# Altium PCB RTM_SFP.PcbDoc (part 3 of 17)
Units mil, origin at the board's own origin, x right, y up, seen from the top; angles counter-clockwise.
Board outline 7185 x 5846.5 mil, 4 copper layers (Top Layer, MidPlane_1, MidPlane_2, Bottom Layer), stack 63.553 mil thick; 389 components, 333 nets, 1578 pads, 1486 vias.
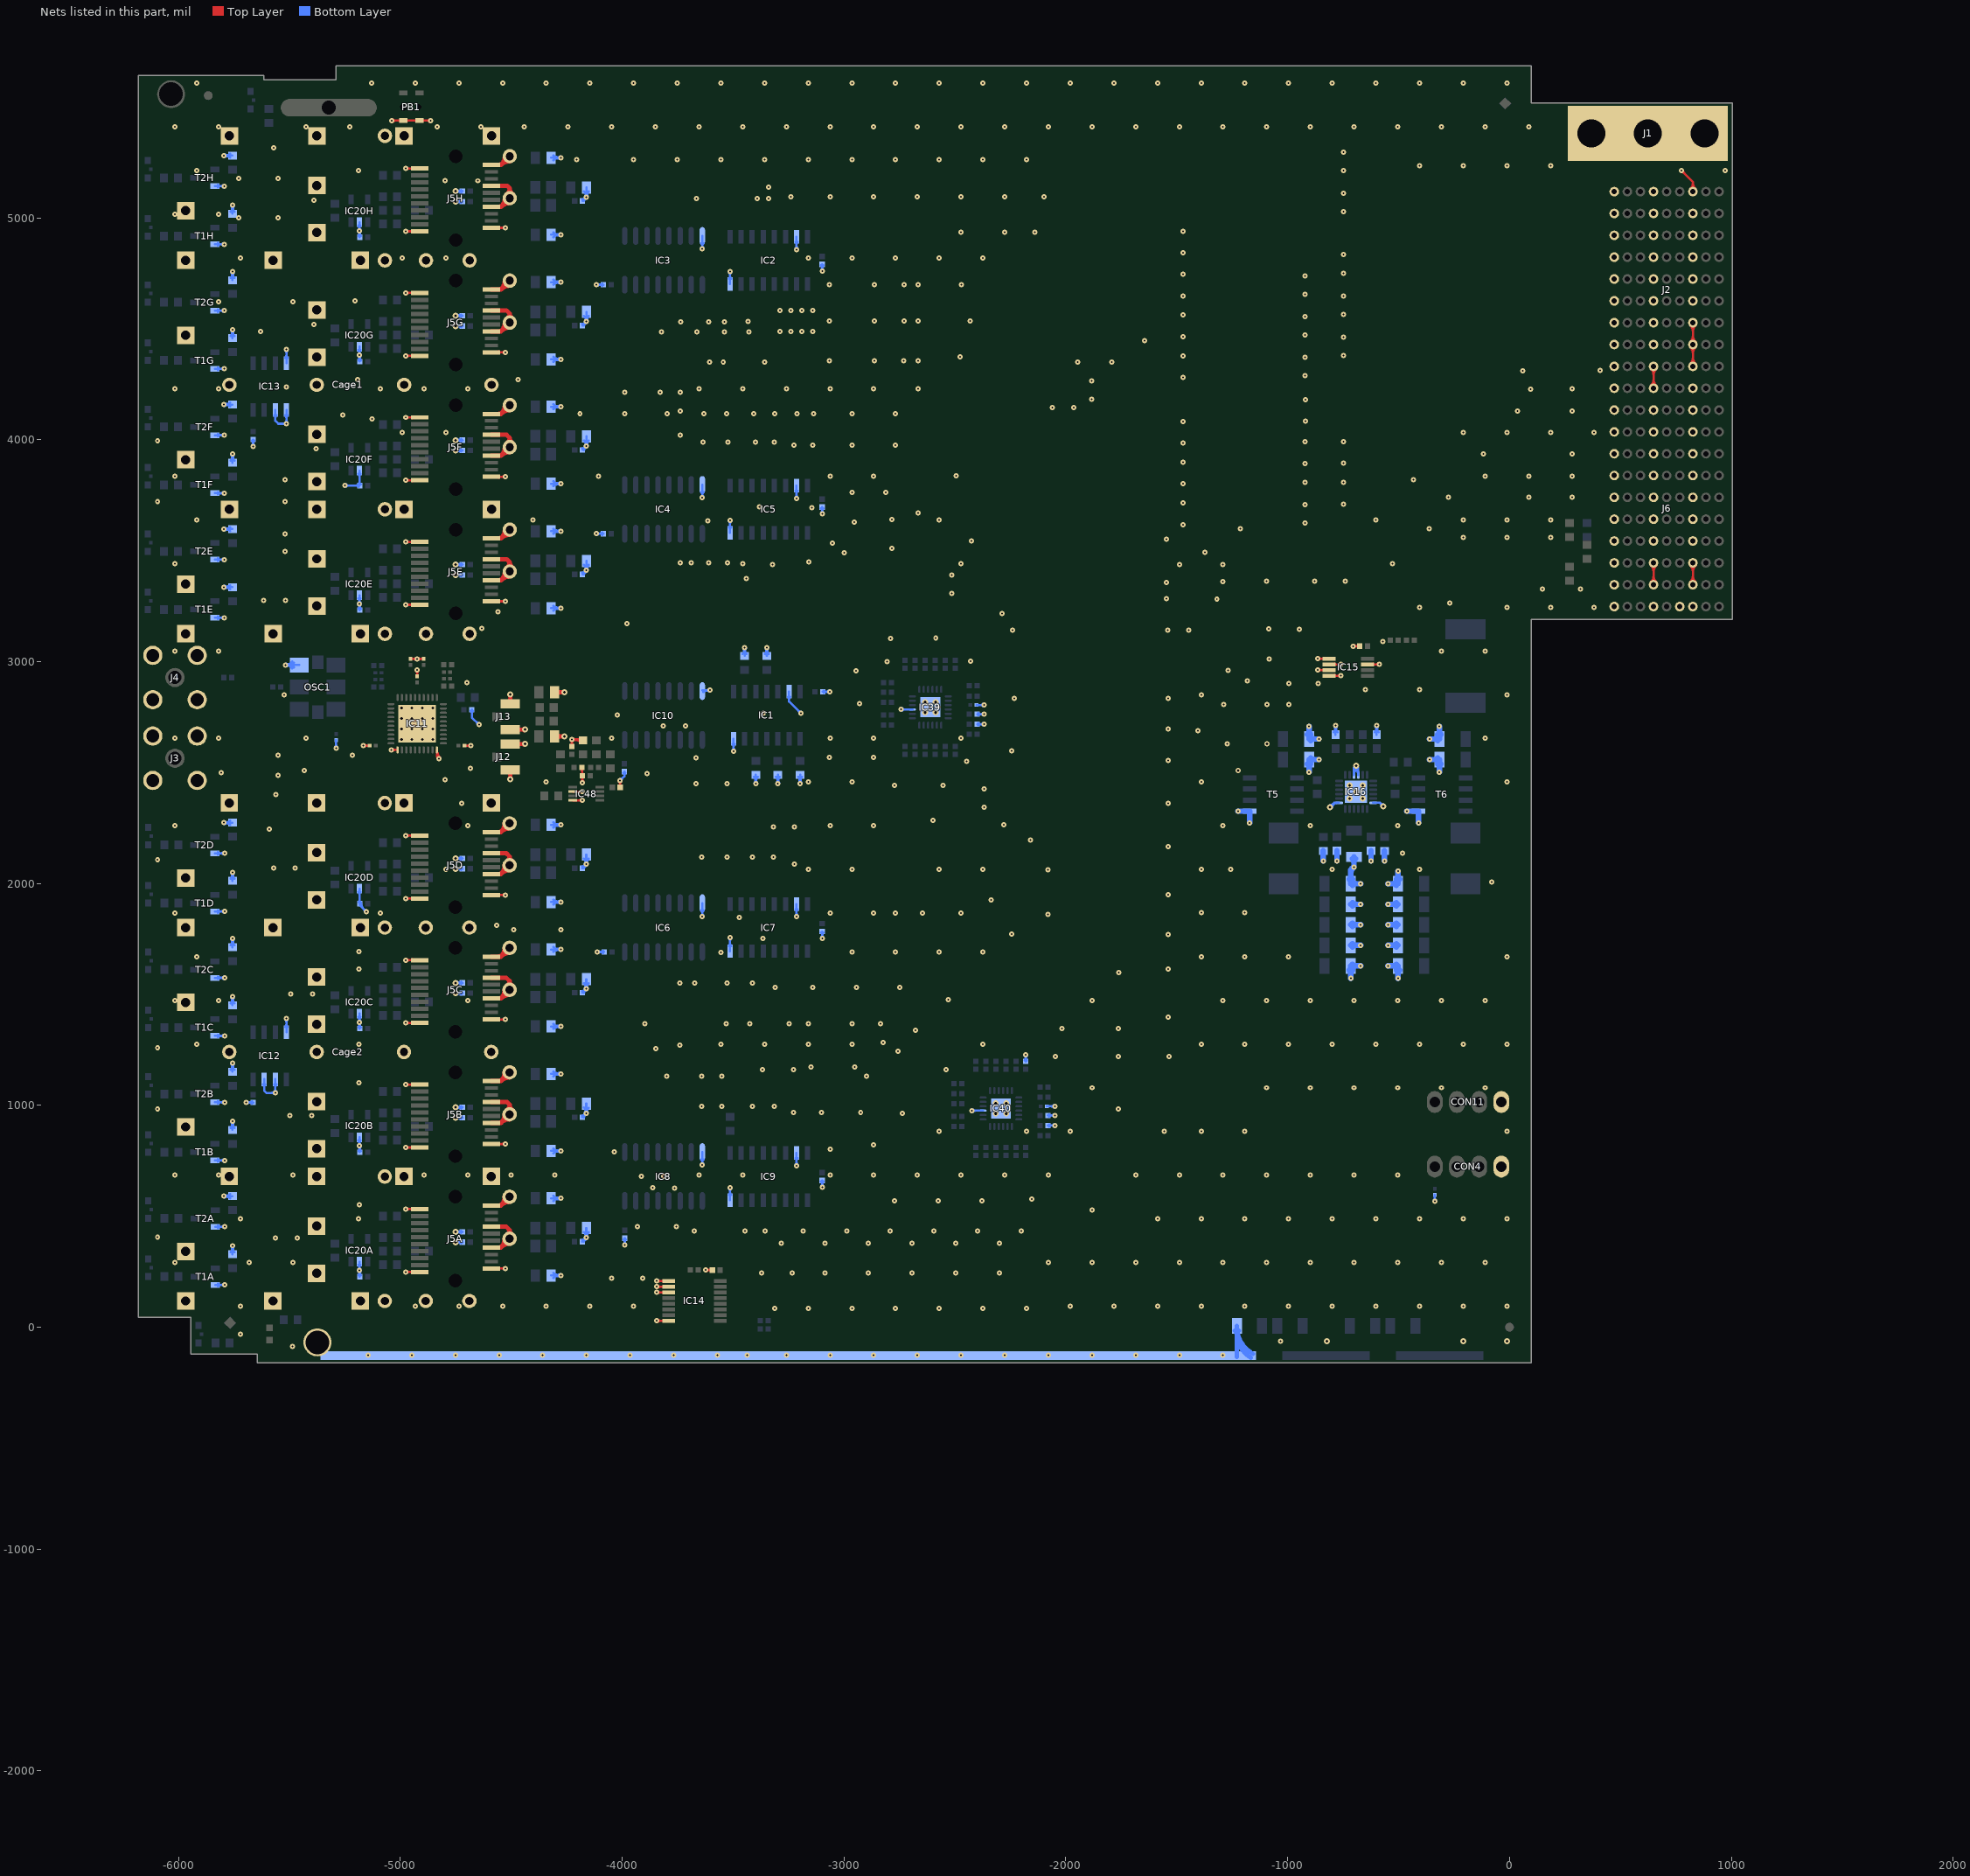
[diagram p5: the nets of this part, all layers, seen from the top]

## Via types
v1: diameter 23.62, hole 7.87, Top Layer to Bottom Layer, tented both sides, 1401 vias
v2: diameter 27.56, hole 11.81, Top Layer to Bottom Layer, tented both sides, 59 vias
v3: diameter 25.98, hole 12.99, Top Layer to Bottom Layer, tented top, 24 vias
v4: diameter 23.62, hole 11.81, Top Layer to Bottom Layer, tented both sides, 2 vias

## Nets (pads, with @x,y where several pads share a name; then routed paths per layer and width w, separated by ;. In a path a pad name is that pad's centre, name@x,y a point inside that pad or via, vN(x,y) a via of type N, cw(c..) or ccw(c..) an arc to the next point about the centre after c; other vN are vias at no path point) (continued)
GND: C1.2 C2.2 C3.2 C4.2 C6.2 C7.2 C8.2 C9.1 C10.1 C12.1 C13A.2 C13B.2 C13C.2 C13D.2 C13E.2 C13F.2 C13G.2 C13H.2 C14.1 C15.1 C16.2 C17.2 C19.1 C20.2 C21.2 C22.2 C23.2 C24.1 C25.2 C26.2 C27.2 C84.2 C176.1 C179.1 C180.1 C181.1 C182.1 C186A.2 C186B.2 C186C.2 C186D.2 C186E.2 C186F.2 C186G.2 C186H.2 C202A.1 C202B.1 C202C.1 C202D.1 C202E.1 C202F.1 C202G.1 C202H.1 C207.1 C208.1 C209.1 C210.1 C213.1 C214A.2 C214B.2 C214C.2 C214D.2 C214E.2 C214F.2 C214G.2 C214H.2 C219A.2 C219B.2 C219C.2 C219D.2 C219E.2 C219F.2 C219G.2 C219H.2 C220A.2 C220B.2 C220C.2 C220D.2 C220E.2 C220F.2 C220G.2 C220H.2 C228A.2 C228B.2 C228C.2 C228D.2 C228E.2 C228F.2 C228G.2 C228H.2 C386.1 C390.1 C391.1 C396.1 C397.1 C399.1 C400.1 C401.1 C402.1 C403.1 C404.1 Cage1.1 Cage1.2 Cage1.3 Cage1.4 Cage1.5 Cage1.6 Cage1.7 Cage1.8 Cage1.9 Cage1.10 Cage1.11 Cage1.12 Cage1.13 Cage1.14 Cage1.15 Cage1.16 Cage1.17 Cage1.18 Cage1.19 Cage1.20 Cage1.21 Cage1.22 Cage1.23 Cage1.24 Cage1.25 Cage1.26 Cage1.27 Cage1.28 Cage1.29 Cage1.30 Cage1.31 Cage1.32 Cage1.33 Cage1.34 Cage1.35 Cage1.36 Cage1.37 Cage1.38 Cage1.39 Cage1.40 Cage1.41 Cage1.42 Cage1.43 Cage1.44 Cage1.45 Cage1.46 Cage2.1 Cage2.2 Cage2.3 Cage2.4 Cage2.5 Cage2.6 Cage2.7 Cage2.8 Cage2.9 Cage2.10 Cage2.11 Cage2.12 Cage2.13 Cage2.14 Cage2.15 Cage2.16 Cage2.17 Cage2.18 Cage2.19 Cage2.20 Cage2.21 Cage2.22 Cage2.23 Cage2.24 Cage2.25 Cage2.26 Cage2.27 Cage2.28 Cage2.29 Cage2.30 Cage2.31 Cage2.32 Cage2.33 Cage2.34 Cage2.35 Cage2.36 Cage2.37 Cage2.38 Cage2.39 Cage2.40 Cage2.41 Cage2.42 Cage2.43 Cage2.44 Cage2.45 Cage2.46 CON4.1 CON11.1 IC1.7 IC1.13 IC2.8 IC2.15 IC3.8 IC4.8 IC5.8 IC5.15 IC6.8 IC7.8 IC7.15 IC8.8 IC9.8 IC9.15 IC10.8 IC11.21 IC11.30 IC11.41 IC12.4 IC12.6 IC12.7 IC13.4 IC13.5 IC13.6 IC14.1 IC14.2 IC14.3 IC14.8 IC15.1 IC15.2 IC15.3 IC15.4 IC15.7 IC16.3 IC16.4 IC16.12 IC16.19 IC16.25 IC20A.2 IC20B.2 IC20C.2 IC20D.2 IC20E.2 IC20F.2 IC20G.2 IC20H.2 IC39.9 IC39.25 IC40.9 IC40.25 IC48.2 IC48.4 J1.1 J2.BG1 J2.BG2 J2.BG3 J2.BG4 J2.BG5 J2.BG6 J2.BG7 J2.BG8 J2.BG9 J2.BG10 J2.DG1 J2.DG2 J2.DG3 J2.DG4 J2.DG5 J2.DG6 J2.DG7 J2.DG8 J2.DG9 J2.DG10 J2.FG1 J2.FG2 J2.FG3 J2.FG4 J2.FG5 J2.FG6 J2.FG7 J2.FG8 J2.FG9 J2.FG10 J3.2 J4.2 J5A.1 J5A.10 J5A.11 J5A.14 J5A.17 J5A.20 J5B.1 J5B.10 J5B.11 J5B.14 J5B.17 J5B.20 J5C.1 J5C.10 J5C.11 J5C.14 J5C.17 J5C.20 J5D.1 J5D.10 J5D.11 J5D.14 J5D.17 J5D.20 J5E.1 J5E.10 J5E.11 J5E.14 J5E.17 J5E.20 J5F.1 J5F.10 J5F.11 J5F.14 J5F.17 J5F.20 J5G.1 J5G.10 J5G.11 J5G.14 J5G.17 J5G.20 J5H.1 J5H.10 J5H.11 J5H.14 J5H.17 J5H.20 J6.BG1 J6.BG2 J6.BG3 J6.BG4 J6.BG5 J6.BG6 J6.BG7 J6.BG8 J6.BG9 J6.BG10 J6.C1 J6.DG1 J6.DG2 J6.DG3 J6.DG4 J6.DG5 J6.DG6 J6.DG7 J6.DG8 J6.DG9 J6.DG10 J6.FG1 J6.FG2 J6.FG3 J6.FG4 J6.FG5 J6.FG6 J6.FG7 J6.FG8 J6.FG9 J6.FG10 J12.2 J13.2 OSC1.3 pad.ESD_STRIP_SEGMENT_3 pad.MH2 PB1.3 PB1.4 R2.1 R3.1 R4.1 R5.1 R10A.1 R10B.1 R10C.1 R10D.1 R10E.1 R10F.1 R10G.1 R10H.1 R12A.1 R12B.1 R12C.1 R12D.1 R12E.1 R12F.1 R12G.1 R12H.1 R13.1 R18.1 R22.2 R26.1 R30.1 R54.2 R211.2 R246.1 R248.1 R326.1 R327.1 R347.1 R348.1 R349.1 T1A.2 T1B.2 T1C.2 T1D.2 T1E.2 T1F.2 T1G.2 T1H.2 T2A.2 T2B.2 T2C.2 T2D.2 T2E.2 T2F.2 T2G.2 T2H.2 T5.1 T6.1 | length 39801.9
  Top Layer w10: v1(-5166.93,2621.26) C399.1@-5138.19,2621.26 ; v1(-5040.94,2601.97) IC11.21@-5012.99,2601.97 ; v1(-5038.43,5438.44) PB1.3@-4987.26,5438.44 PB1.4@-4914.42,5438.44 v1(-4863.24,5438.44) ; PB1.3@-4999.25,5434.32 ccw(c-5009.2,5424.37) -5009.2,5438.44 ccw(c-5009.2,5452.51) PB1.3@-4999.25,5442.56 ; v1(-4976.29,249.06) J5A.10@-4912.98,249.06 ; v1(-4976.29,532.53) J5A.1@-4912.98,532.53 ; v1(-4976.29,810.09) J5B.10@-4912.98,810.09 ; v1(-4976.29,1093.55) J5B.1@-4912.98,1093.55 ; v1(-4976.29,1371.11) J5C.10@-4912.98,1371.11 ; v1(-4976.29,1654.58) J5C.1@-4912.98,1654.58 ; v1(-4976.29,1932.13) J5D.10@-4912.98,1932.13 ; v1(-4976.29,2215.6) J5D.1@-4912.98,2215.6 ; v1(-4975.73,3256.16) J5E.10@-4912.42,3256.16 ; v1(-4975.73,3539.62) J5E.1@-4912.42,3539.62 ; v1(-4975.73,3817.18) J5F.10@-4912.42,3817.18 ; v1(-4975.73,4100.65) J5F.1@-4912.42,4100.65 ; v1(-4975.73,4378.21) J5G.10@-4912.42,4378.21 ; v1(-4975.73,4661.67) J5G.1@-4912.42,4661.67 ; v1(-4975.73,4939.23) J5H.10@-4912.42,4939.23 ; v1(-4975.73,5222.69) J5H.1@-4912.42,5222.69 ; PB1.3@-4975.26,5434.32 cw(c-4965.32,5424.37) -4965.32,5438.44 cw(c-4965.32,5452.51) PB1.3@-4975.26,5442.56 ; C397.1@-4953.94,3011.81 v1(-4924.41,3011.81) C396.1@-4894.88,3011.81 ; J5A.10@-4945.93,245.64 ccw(c-4954.19,237.37) -4954.19,249.06 ccw(c-4954.19,260.75) J5A.10@-4945.93,252.49 ; J5A.1@-4945.93,529.1 ccw(c-4954.19,520.84) -4954.19,532.53 ccw(c-4954.19,544.22) J5A.1@-4945.93,535.95 ; J5B.10@-4945.93,806.66 ccw(c-4954.19,798.4) -4954.19,810.09 ccw(c-4954.19,821.78) J5B.10@-4945.93,813.51 ; J5B.1@-4945.93,1090.13 ccw(c-4954.19,1081.86) -4954.19,1093.55 ccw(c-4954.19,1105.24) J5B.1@-4945.93,1096.98 ; J5C.10@-4945.93,1367.69 ccw(c-4954.19,1359.42) -4954.19,1371.11 ccw(c-4954.19,1382.8) J5C.10@-4945.93,1374.53 ; J5C.1@-4945.93,1651.15 ccw(c-4954.19,1642.88) -4954.19,1654.58 ccw(c-4954.19,1666.27) J5C.1@-4945.93,1658 ; J5D.10@-4945.93,1928.71 ccw(c-4954.19,1920.44) -4954.19,1932.13 ccw(c-4954.19,1943.83) J5D.10@-4945.93,1935.56 ; J5D.1@-4945.93,2212.18 ccw(c-4954.19,2203.91) -4954.19,2215.6 ccw(c-4954.19,2227.29) J5D.1@-4945.93,2219.02 ; J5E.10@-4945.37,3252.73 ccw(c-4953.64,3244.47) -4953.64,3256.16 ccw(c-4953.64,3267.85) J5E.10@-4945.37,3259.58 ; J5E.1@-4945.37,3536.2 ccw(c-4953.64,3527.93) -4953.64,3539.62 ccw(c-4953.64,3551.31) J5E.1@-4945.37,3543.05 ; J5F.10@-4945.37,3813.76 ccw(c-4953.64,3805.49) -4953.64,3817.18 ccw(c-4953.64,3828.87) J5F.10@-4945.37,3820.61 ; J5F.1@-4945.37,4097.22 ccw(c-4953.64,4088.96) -4953.64,4100.65 ccw(c-4953.64,4112.34) J5F.1@-4945.37,4104.07 ; J5G.10@-4945.37,4374.78 ccw(c-4953.64,4366.51) -4953.64,4378.21 ccw(c-4953.64,4389.9) J5G.10@-4945.37,4381.63 ; J5G.1@-4945.37,4658.25 ccw(c-4953.64,4649.98) -4953.64,4661.67 ccw(c-4953.64,4673.36) J5G.1@-4945.37,4665.09 ; J5H.10@-4945.37,4935.81 ccw(c-4953.64,4927.54) -4953.64,4939.23 ccw(c-4953.64,4950.92) J5H.10@-4945.37,4942.65 ; J5H.1@-4945.37,5219.27 ccw(c-4953.64,5211) -4953.64,5222.69 ccw(c-4953.64,5234.38) J5H.1@-4945.37,5226.12 ; PB1.4@-4926.42,5434.32 ccw(c-4936.36,5424.37) -4936.36,5438.44 ccw(c-4936.36,5452.51) PB1.4@-4926.42,5442.56 ; C400.1@-4924.41,2934.25 v1(-4924.41,2962.99) ; PB1.4@-4902.43,5434.32 cw(c-4892.48,5424.37) -4892.48,5438.44 cw(c-4892.48,5452.51) PB1.4@-4902.43,5442.56 ; IC11.30@-4835.79,2591.21 cw(c-4840.48,2583.09) -4831.42,2585.52 ; -4835.6,2572.68 ccw(c-4828.55,2576.98) v1@-4826.93,2568.88 ; -4832.11,2585.5 cw(c-4849.27,2575.01) v1@-4831.58,2565.45 ; v1(-4825.59,2562.2) -4835.83,2572.44 ; C401.1@-4710.63,2621.26 v1(-4681.89,2621.26) ; J5A.11@-4590.14,264.81 v1(-4526.83,264.81) ; J5B.11@-4590.14,825.83 v1(-4526.83,825.83) ; J5C.11@-4590.14,1386.86 v1(-4526.83,1386.86) ; J5D.11@-4590.14,1947.88 v1(-4526.83,1947.88) ; J5E.11@-4589.58,3271.91 v1(-4526.27,3271.91) ; J5F.11@-4589.58,3832.93 v1(-4526.27,3832.93) ; J5G.11@-4589.58,4393.95 v1(-4526.27,4393.95) ; J5H.11@-4589.58,4954.98 v1(-4526.27,4954.98) ; J5A.11@-4557.19,261.39 cw(c-4548.92,253.12) -4548.92,264.81 cw(c-4548.92,276.5) J5A.11@-4557.19,268.23 ; J5B.11@-4557.19,822.41 cw(c-4548.92,814.14) -4548.92,825.83 cw(c-4548.92,837.53) J5B.11@-4557.19,829.26 ; J5C.11@-4557.19,1383.43 cw(c-4548.92,1375.17) -4548.92,1386.86 cw(c-4548.92,1398.55) J5C.11@-4557.19,1390.28 ; J5D.11@-4557.19,1944.46 cw(c-4548.92,1936.19) -4548.92,1947.88 cw(c-4548.92,1959.57) J5D.11@-4557.19,1951.31 ; J5E.11@-4556.63,3268.48 cw(c-4548.36,3260.21) -4548.36,3271.91 cw(c-4548.36,3283.6) J5E.11@-4556.63,3275.33 ; J5F.11@-4556.63,3829.51 cw(c-4548.36,3821.24) -4548.36,3832.93 cw(c-4548.36,3844.62) J5F.11@-4556.63,3836.35 ; J5G.11@-4556.63,4390.53 cw(c-4548.36,4382.26) -4548.36,4393.95 cw(c-4548.36,4405.64) J5G.11@-4556.63,4397.38 ; J5H.11@-4556.63,4951.55 cw(c-4548.36,4943.29) -4548.36,4954.98 cw(c-4548.36,4966.67) J5H.11@-4556.63,4958.4 ; J12.2@-4515.8,2501.32 cw(c-4542.55,2474.57) -4504.72,2474.57 cw(c-4466.9,2474.57) J12.2@-4493.64,2501.32 ; J13.2@-4515.8,2820.73 ccw(c-4542.55,2847.47) -4504.72,2847.47 ccw(c-4466.9,2847.47) J13.2@-4493.64,2820.73 ; v2@-4512.01,2473.99 ccw(c-4529.4,2485.69) -4509.16,2491.11 ; v2@-4512.01,2848.05 cw(c-4529.4,2836.36) -4509.16,2830.93 ; v2@-4509.11,2476.7 ccw(c-4517.29,2490.86) -4501.49,2486.63 ; v2@-4509.11,2845.35 cw(c-4517.29,2831.19) -4501.49,2835.42 ; -4507.95,2486.63 ccw(c-4492.16,2490.86) v2@-4500.33,2476.7 ; -4507.95,2835.42 cw(c-4492.16,2831.19) v2@-4500.33,2845.35 ; v2(-4504.72,2469.09) J12.2@-4504.72,2512.4 ; J12.2@-4504.72,2628.54 v2(-4437.8,2628.54) ; J13.2@-4504.72,2693.5 v2(-4437.8,2693.5) ; J13.2@-4504.72,2809.65 v2(-4504.72,2852.95) ; -4500.29,2491.11 ccw(c-4480.05,2485.69) v2@-4497.44,2473.99 ; -4500.29,2830.93 cw(c-4480.05,2836.36) v2@-4497.44,2848.05 ; J12.2@-4471.01,2617.46 cw(c-4444.26,2590.71) -4444.26,2628.54 cw(c-4444.26,2666.37) J12.2@-4471.01,2639.62 ; J13.2@-4471.01,2682.42 cw(c-4444.26,2655.68) -4444.26,2693.5 cw(c-4444.26,2731.33) J13.2@-4471.01,2704.58 ; -4460.37,2624.23 cw(c-4454.78,2603.37) v2@-4442.71,2621.27 ; -4460.37,2632.86 ccw(c-4454.78,2653.72) v2@-4442.71,2635.82 ; -4460.37,2689.19 cw(c-4454.78,2668.33) v2@-4442.71,2686.23 ; -4460.37,2697.82 ccw(c-4454.78,2718.68) v2@-4442.71,2700.78 ; -4454.8,2625.72 ccw(c-4458.81,2640.68) v2@-4445.4,2632.93 ; -4454.8,2631.37 cw(c-4458.81,2616.41) v2@-4445.4,2624.15 ; -4454.8,2690.68 ccw(c-4458.81,2705.64) v2@-4445.4,2697.89 ; -4454.8,2696.33 cw(c-4458.81,2681.37) v2@-4445.4,2689.11 ; C16.2@-4231.87,2622.42 ccw(c-4244.17,2634.72) -4226.77,2634.72 ccw(c-4209.38,2634.72) C16.2@-4221.68,2622.42 ; C16.2@-4226.77,2617.32 v1(-4226.77,2649.21) -4181.1,2649.21 R26.1@-4176.77,2644.88 ; v1@-4223.37,2643.31 cw(c-4212.11,2623.81) -4206.28,2645.56 ; IC48.4@-4222.44,2374.41 v1(-4179.63,2374.41) ; IC48.2@-4222.44,2413.78 v1(-4179.63,2413.78) ; v1@-4220.87,2652.62 ccw(c-4211.9,2657.8) -4214.58,2647.79 ; v1@-4219.9,2649.21 cw(c-4219.9,2603.73) R26.1@-4187.73,2635.89 ; -4198.99,2649.21 ccw(c-4198.99,2665.13) R26.1@-4187.73,2653.87 ; C19.1@-4186.7,2517.74 cw(c-4199,2505.44) -4181.6,2505.44 cw(c-4164.21,2505.44) C19.1@-4176.51,2517.74 ; R211.2@-4184.45,2480.22 cw(c-4196.08,2468.6) -4179.63,2468.6 cw(c-4163.19,2468.6) R211.2@-4174.82,2480.22 ; R211.2@-4184.45,2489.86 ccw(c-4191.32,2496.73) R211.2@-4181.6,2496.73 ; R211.2@-4181.6,2487.01 C19.1@-4181.6,2522.83 ; -4181.6,2506.23 ccw(c-4158.44,2506.23) R211.2@-4174.82,2489.86 ; v1(-4179.63,2454.62) R211.2@-4179.63,2485.04 ; C17.2@-4014.54,2438.56 ccw(c-4026.84,2450.86) -4009.45,2450.86 ccw(c-3992.06,2450.86) C17.2@-4004.35,2438.56 ; C17.2@-4009.45,2433.46 v1(-4009.45,2464.17) ; v1(-3843.9,28.94) IC14.8@-3790.55,28.94 ; v1(-3843.9,156.89) IC14.3@-3790.55,156.89 ; v1(-3843.9,182.48) IC14.2@-3790.55,182.48 ; v1(-3843.9,208.07) IC14.1@-3790.55,208.07 ; IC14.8@-3812.96,26.21 ccw(c-3819.55,19.62) -3819.55,28.94 ccw(c-3819.55,38.25) IC14.8@-3812.96,31.67 ; IC14.3@-3812.96,154.16 ccw(c-3819.55,147.58) -3819.55,156.89 ccw(c-3819.55,166.2) IC14.3@-3812.96,159.62 ; IC14.2@-3812.96,179.75 ccw(c-3819.55,173.17) -3819.55,182.48 ccw(c-3819.55,191.79) IC14.2@-3812.96,185.21 ; IC14.1@-3812.96,205.34 ccw(c-3819.55,198.76) -3819.55,208.07 ccw(c-3819.55,217.39) IC14.1@-3812.96,210.8 ; v1(-3623.62,257.48) C26.2@-3593.7,257.48 ; C26.2@-3598.8,252.39 ccw(c-3611.09,240.09) -3611.09,257.48 ccw(c-3611.09,274.87) C26.2@-3598.8,262.57 ; v1(-864.76,2962.01) IC15.3@-812.6,2962.01 ; v1(-864.76,3013.19) IC15.1@-812.6,3013.19 ; IC15.3@-836,2959.28 ccw(c-842.58,2952.69) -842.58,2962.01 ccw(c-842.58,2971.32) IC15.3@-836,2964.74 ; IC15.1@-836,3010.46 ccw(c-842.58,3003.87) -842.58,3013.19 ccw(c-842.58,3022.5) IC15.1@-836,3015.92 ; IC15.4@-812.6,2936.42 v1(-760.43,2936.42) ; IC15.2@-812.6,2987.6 v1(-760.43,2987.6) ; IC15.4@-789.2,2933.69 cw(c-782.61,2927.1) -782.61,2936.42 cw(c-782.61,2945.73) IC15.4@-789.2,2939.15 ; IC15.2@-789.2,2984.87 cw(c-782.61,2978.28) -782.61,2987.6 cw(c-782.61,2996.91) IC15.2@-789.2,2990.33 ; v1(-705.51,3069.69) C27.2@-674.8,3069.69 ; C27.2@-679.9,3064.59 ccw(c-692.2,3052.29) -692.2,3069.69 ccw(c-692.2,3087.08) C27.2@-679.9,3074.78 ; IC15.7@-639.37,2987.6 v1(-586.81,2987.6) ; IC15.7@-615.97,2984.87 cw(c-609.39,2978.28) -609.39,2987.6 cw(c-609.39,2996.91) IC15.7@-615.97,2990.33 ; J6.DG2@637.83,3358.23 ccw(c609.4,3386.66) 649.61,3386.66 ccw(c689.81,3386.66) J6.DG2@661.38,3358.23 ; J6.DG3@637.83,3433.11 cw(c609.4,3404.68) 649.61,3404.68 cw(c689.81,3404.68) J6.DG3@661.38,3433.11 ; J2.DG1@637.83,4244.06 ccw(c609.4,4272.49) 649.61,4272.49 ccw(c689.81,4272.49) J2.DG1@661.38,4244.06 ; J2.DG2@637.83,4318.93 cw(c609.4,4290.5) 649.61,4290.5 cw(c689.81,4290.5) J2.DG2@661.38,4318.93 ; J6.DG2@649.61,3346.46 J6.DG3@649.61,3444.88 ; J2.DG1@649.61,4232.28 J2.DG2@649.61,4330.71 ; v1(775.58,5213.05) 826.77,5161.85 J2.BG10@826.77,5118.11 ; J6.BG2@815,3358.23 ccw(c786.57,3386.66) 826.77,3386.66 ccw(c866.98,3386.66) J6.BG2@838.55,3358.23 ; J6.BG3@815,3433.11 cw(c786.57,3404.68) 826.77,3404.68 cw(c866.98,3404.68) J6.BG3@838.55,3433.11 ; J2.BG2@815,4342.48 ccw(c786.57,4370.91) 826.77,4370.91 ccw(c866.98,4370.91) J2.BG2@838.55,4342.48 ; J2.BG3@815,4417.36 cw(c786.57,4388.93) 826.77,4388.93 cw(c866.98,4388.93) J2.BG3@838.55,4417.36 ; J2.BG3@815,4440.91 ccw(c786.57,4469.34) 826.77,4469.34 ccw(c866.98,4469.34) J2.BG3@838.55,4440.91 ; J2.BG4@815,4515.78 cw(c786.57,4487.35) 826.77,4487.35 cw(c866.98,4487.35) J2.BG4@838.55,4515.78 ; J2.BG10@815,5129.89 ccw(c786.57,5158.32) 826.77,5158.32 ccw(c866.98,5158.32) J2.BG10@838.55,5129.89 ; J6.BG2@826.77,3346.46 J6.BG3@826.77,3444.88 ; J2.BG2@826.77,4330.71 J2.BG3@826.77,4429.13 J2.BG4@826.77,4527.56 ; -5150.49,2621.26 cw(c-5150.49,2637.7) -5162.11,2626.08 ccw(c-5150.49,2637.7) -5150.49,2621.26 ; -5150.49,2621.26 ccw(c-5150.49,2604.82) -5162.11,2616.44 cw(c-5150.49,2604.82) -5150.49,2621.26 ; -5024.5,2601.97 cw(c-5024.5,2618.41) -5036.13,2606.78 ccw(c-5024.5,2618.41) -5024.5,2601.97 ; -5024.5,2601.97 ccw(c-5024.5,2585.53) -5036.13,2597.15 cw(c-5024.5,2585.53) -5024.5,2601.97 ; -5021.99,5438.44 cw(c-5021.99,5454.88) -5033.62,5443.26 ccw(c-5021.99,5454.88) -5021.99,5438.44 ; -5021.99,5438.44 ccw(c-5021.99,5422) -5033.62,5433.62 cw(c-5021.99,5422) -5021.99,5438.44 ; -4959.85,249.06 cw(c-4959.85,265.51) -4971.47,253.88 ccw(c-4959.85,265.51) -4959.85,249.06 ; -4959.85,249.06 ccw(c-4959.85,232.62) -4971.47,244.25 cw(c-4959.85,232.62) -4959.85,249.06 ; -4959.85,532.53 cw(c-4959.85,548.97) -4971.47,537.34 ccw(c-4959.85,548.97) -4959.85,532.53 ; -4959.85,532.53 ccw(c-4959.85,516.08) -4971.47,527.71 cw(c-4959.85,516.08) -4959.85,532.53 ; -4959.85,810.09 cw(c-4959.85,826.53) -4971.47,814.9 ccw(c-4959.85,826.53) -4959.85,810.09 ; -4959.85,810.09 ccw(c-4959.85,793.64) -4971.47,805.27 cw(c-4959.85,793.64) -4959.85,810.09 ; -4959.85,1093.55 cw(c-4959.85,1109.99) -4971.47,1098.37 ccw(c-4959.85,1109.99) -4959.85,1093.55 ; -4959.85,1093.55 ccw(c-4959.85,1077.11) -4971.47,1088.74 cw(c-4959.85,1077.11) -4959.85,1093.55 ; -4959.85,1371.11 cw(c-4959.85,1387.55) -4971.47,1375.93 ccw(c-4959.85,1387.55) -4959.85,1371.11 ; -4959.85,1371.11 ccw(c-4959.85,1354.67) -4971.47,1366.29 cw(c-4959.85,1354.67) -4959.85,1371.11 ; -4959.85,1654.58 cw(c-4959.85,1671.02) -4971.47,1659.39 ccw(c-4959.85,1671.02) -4959.85,1654.58 ; -4959.85,1654.58 ccw(c-4959.85,1638.13) -4971.47,1649.76 cw(c-4959.85,1638.13) -4959.85,1654.58 ; -4959.85,1932.13 cw(c-4959.85,1948.58) -4971.47,1936.95 ccw(c-4959.85,1948.58) -4959.85,1932.13 ; -4959.85,1932.13 ccw(c-4959.85,1915.69) -4971.47,1927.32 cw(c-4959.85,1915.69) -4959.85,1932.13 ; -4959.85,2215.6 cw(c-4959.85,2232.04) -4971.47,2220.42 ccw(c-4959.85,2232.04) -4959.85,2215.6 ; -4959.85,2215.6 ccw(c-4959.85,2199.16) -4971.47,2210.78 cw(c-4959.85,2199.16) -4959.85,2215.6 ; -4959.29,3256.16 cw(c-4959.29,3272.6) -4970.92,3260.97 ccw(c-4959.29,3272.6) -4959.29,3256.16 ; -4959.29,3256.16 ccw(c-4959.29,3239.71) -4970.92,3251.34 cw(c-4959.29,3239.71) -4959.29,3256.16 ; -4959.29,3539.62 cw(c-4959.29,3556.07) -4970.92,3544.44 ccw(c-4959.29,3556.07) -4959.29,3539.62 ; -4959.29,3539.62 ccw(c-4959.29,3523.18) -4970.92,3534.81 cw(c-4959.29,3523.18) -4959.29,3539.62 ; -4959.29,3817.18 cw(c-4959.29,3833.62) -4970.92,3822 ccw(c-4959.29,3833.62) -4959.29,3817.18 ; -4959.29,3817.18 ccw(c-4959.29,3800.74) -4970.92,3812.37 cw(c-4959.29,3800.74) -4959.29,3817.18 ; -4959.29,4100.65 cw(c-4959.29,4117.09) -4970.92,4105.46 ccw(c-4959.29,4117.09) -4959.29,4100.65 ; -4959.29,4100.65 ccw(c-4959.29,4084.2) -4970.92,4095.83 cw(c-4959.29,4084.2) -4959.29,4100.65 ; -4959.29,4378.21 cw(c-4959.29,4394.65) -4970.92,4383.02 ccw(c-4959.29,4394.65) -4959.29,4378.21 ; -4959.29,4378.21 ccw(c-4959.29,4361.76) -4970.92,4373.39 cw(c-4959.29,4361.76) -4959.29,4378.21 ; -4959.29,4661.67 cw(c-4959.29,4678.11) -4970.92,4666.49 ccw(c-4959.29,4678.11) -4959.29,4661.67 ; -4959.29,4661.67 ccw(c-4959.29,4645.23) -4970.92,4656.85 cw(c-4959.29,4645.23) -4959.29,4661.67 ; -4959.29,4939.23 cw(c-4959.29,4955.67) -4970.92,4944.05 ccw(c-4959.29,4955.67) -4959.29,4939.23 ; -4959.29,4939.23 ccw(c-4959.29,4922.79) -4970.92,4934.41 cw(c-4959.29,4922.79) -4959.29,4939.23 ; -4959.29,5222.69 cw(c-4959.29,5239.14) -4970.92,5227.51 ccw(c-4959.29,5239.14) -4959.29,5222.69 ; -4959.29,5222.69 ccw(c-4959.29,5206.25) -4970.92,5217.88 cw(c-4959.29,5206.25) -4959.29,5222.69 ; -4940.85,3011.81 cw(c-4940.85,2995.37) -4929.23,3006.99 ccw(c-4940.85,2995.37) -4940.85,3011.81 ; -4940.85,3011.81 ccw(c-4940.85,3028.25) -4929.23,3016.63 cw(c-4940.85,3028.25) -4940.85,3011.81 ; -4924.41,2946.55 cw(c-4907.97,2946.55) -4919.59,2958.18 ccw(c-4907.97,2946.55) -4924.41,2946.55 ; -4924.41,2946.55 ccw(c-4940.85,2946.55) -4929.23,2958.18 cw(c-4940.85,2946.55) -4924.41,2946.55 ; -4907.97,3011.81 cw(c-4907.97,3028.25) -4919.59,3016.63 ccw(c-4907.97,3028.25) -4907.97,3011.81 ; -4907.97,3011.81 ccw(c-4907.97,2995.37) -4919.59,3006.99 cw(c-4907.97,2995.37) -4907.97,3011.81 ; -4879.69,5438.44 cw(c-4879.69,5422) -4868.06,5433.62 ccw(c-4879.69,5422) -4879.69,5438.44 ; -4879.69,5438.44 ccw(c-4879.69,5454.88) -4868.06,5443.26 cw(c-4879.69,5454.88) -4879.69,5438.44 ; -4835.83,2572.44 cw(c-4844.3,2563.97) -4832.37,2562.84 ccw(c-4844.3,2563.97) -4835.83,2572.44 ; -4835.83,2572.44 ccw(c-4827.36,2580.91) -4826.23,2568.99 cw(c-4827.36,2580.91) -4835.83,2572.44 ; -4835.83,2572.44 IC11.30@-4835.83,2601.97 ; IC11.30@-4835.83,2601.97 ccw(c-4787.74,2601.97) -4820.89,2567.14 cw(c-4787.74,2601.97) IC11.30@-4835.83,2601.97 ; -4698.33,2621.26 cw(c-4698.33,2604.82) -4686.71,2616.44 ccw(c-4698.33,2604.82) -4698.33,2621.26 ; -4698.33,2621.26 ccw(c-4698.33,2637.7) -4686.71,2626.08 cw(c-4698.33,2637.7) -4698.33,2621.26 ; -4543.27,264.81 cw(c-4543.27,248.37) -4531.64,259.99 ccw(c-4543.27,248.37) -4543.27,264.81 ; -4543.27,264.81 ccw(c-4543.27,281.25) -4531.64,269.63 cw(c-4543.27,281.25) -4543.27,264.81 ; -4543.27,825.83 cw(c-4543.27,809.39) -4531.64,821.02 ccw(c-4543.27,809.39) -4543.27,825.83 ; -4543.27,825.83 ccw(c-4543.27,842.28) -4531.64,830.65 cw(c-4543.27,842.28) -4543.27,825.83 ; -4543.27,1386.86 cw(c-4543.27,1370.42) -4531.64,1382.04 ccw(c-4543.27,1370.42) -4543.27,1386.86 ; -4543.27,1386.86 ccw(c-4543.27,1403.3) -4531.64,1391.67 cw(c-4543.27,1403.3) -4543.27,1386.86 ; -4543.27,1947.88 cw(c-4543.27,1931.44) -4531.64,1943.07 ccw(c-4543.27,1931.44) -4543.27,1947.88 ; -4543.27,1947.88 ccw(c-4543.27,1964.33) -4531.64,1952.7 cw(c-4543.27,1964.33) -4543.27,1947.88 ; -4542.71,3271.91 cw(c-4542.71,3255.46) -4531.08,3267.09 ccw(c-4542.71,3255.46) -4542.71,3271.91 ; -4542.71,3271.91 ccw(c-4542.71,3288.35) -4531.08,3276.72 cw(c-4542.71,3288.35) -4542.71,3271.91 ; -4542.71,3832.93 cw(c-4542.71,3816.49) -4531.08,3828.11 ccw(c-4542.71,3816.49) -4542.71,3832.93 ; -4542.71,3832.93 ccw(c-4542.71,3849.37) -4531.08,3837.75 cw(c-4542.71,3849.37) -4542.71,3832.93 ; -4542.71,4393.95 cw(c-4542.71,4377.51) -4531.08,4389.14 ccw(c-4542.71,4377.51) -4542.71,4393.95 ; -4542.71,4393.95 ccw(c-4542.71,4410.4) -4531.08,4398.77 cw(c-4542.71,4410.4) -4542.71,4393.95 ; -4542.71,4954.98 cw(c-4542.71,4938.53) -4531.08,4950.16 ccw(c-4542.71,4938.53) -4542.71,4954.98 ; -4542.71,4954.98 ccw(c-4542.71,4971.42) -4531.08,4959.79 cw(c-4542.71,4971.42) -4542.71,4954.98 ; -4504.72,2490.29 cw(c-4525.92,2490.29) -4510.93,2475.3 ccw(c-4525.92,2490.29) -4504.72,2490.29 ; -4504.72,2490.29 ccw(c-4483.53,2490.29) -4498.52,2475.3 cw(c-4483.53,2490.29) -4504.72,2490.29 ; -4504.72,2831.76 cw(c-4483.53,2831.76) -4498.52,2846.74 ccw(c-4483.53,2831.76) -4504.72,2831.76 ; -4504.72,2831.76 ccw(c-4525.92,2831.76) -4510.93,2846.74 cw(c-4525.92,2831.76) -4504.72,2831.76 ; -4458.99,2628.54 cw(c-4458.99,2607.35) -4444,2622.34 ccw(c-4458.99,2607.35) -4458.99,2628.54 ; -4458.99,2628.54 ccw(c-4458.99,2649.74) -4444,2634.75 cw(c-4458.99,2649.74) -4458.99,2628.54 ; -4458.99,2693.5 cw(c-4458.99,2672.31) -4444,2687.3 ccw(c-4458.99,2672.31) -4458.99,2693.5 ; -4458.99,2693.5 ccw(c-4458.99,2714.7) -4444,2699.71 cw(c-4458.99,2714.7) -4458.99,2693.5 ; -4226.77,2632.77 cw(c-4210.33,2632.77) v1@-4221.96,2644.4 ; -4226.77,2632.77 ccw(c-4243.21,2632.77) -4231.59,2644.4 cw(c-4243.21,2632.77) -4226.77,2632.77 ; -4226.77,2632.77 cw(c-4210.33,2632.77) v1@-4221.96,2644.4 ; v1@-4221.96,2644.4 cw(c-4210.33,2632.77) -4210.33,2649.21 ; v1@-4221.96,2644.4 cw(c-4210.33,2632.77) -4210.33,2649.21 ; -4210.33,2649.21 cw(c-4210.33,2665.66) -4221.96,2654.03 ccw(c-4210.33,2665.66) -4210.33,2649.21 ; -4196.08,2374.41 cw(c-4196.08,2357.97) -4184.45,2369.59 ccw(c-4196.08,2357.97) -4196.08,2374.41 ; -4196.08,2374.41 ccw(c-4196.08,2390.85) -4184.45,2379.23 cw(c-4196.08,2390.85) -4196.08,2374.41 ; -4196.08,2413.78 cw(c-4196.08,2397.34) -4184.45,2408.96 ccw(c-4196.08,2397.34) -4196.08,2413.78 ; -4196.08,2413.78 ccw(c-4196.08,2430.22) -4184.45,2418.6 cw(c-4196.08,2430.22) -4196.08,2413.78 ; -4179.63,2471.06 cw(c-4196.08,2471.06) -4184.45,2459.43 ccw(c-4196.08,2471.06) -4179.63,2471.06 ; -4179.63,2471.06 ccw(c-4163.19,2471.06) -4174.82,2459.43 cw(c-4163.19,2471.06) -4179.63,2471.06 ; -4009.45,2447.73 cw(c-3993.01,2447.73) -4004.63,2459.36 ccw(c-3993.01,2447.73) -4009.45,2447.73 ; -4009.45,2447.73 ccw(c-4025.89,2447.73) -4014.26,2459.36 cw(c-4025.89,2447.73) -4009.45,2447.73 ; -3827.45,28.94 cw(c-3827.45,45.38) -3839.08,33.75 ccw(c-3827.45,45.38) -3827.45,28.94 ; -3827.45,28.94 ccw(c-3827.45,12.49) -3839.08,24.12 cw(c-3827.45,12.49) -3827.45,28.94 ; -3827.45,156.89 cw(c-3827.45,173.33) -3839.08,161.71 ccw(c-3827.45,173.33) -3827.45,156.89 ; -3827.45,156.89 ccw(c-3827.45,140.45) -3839.08,152.07 cw(c-3827.45,140.45) -3827.45,156.89 ; -3827.45,182.48 cw(c-3827.45,198.92) -3839.08,187.3 ccw(c-3827.45,198.92) -3827.45,182.48 ; -3827.45,182.48 ccw(c-3827.45,166.04) -3839.08,177.66 cw(c-3827.45,166.04) -3827.45,182.48 ; -3827.45,208.07 cw(c-3827.45,224.51) -3839.08,212.89 ccw(c-3827.45,224.51) -3827.45,208.07 ; -3827.45,208.07 ccw(c-3827.45,191.63) -3839.08,203.25 cw(c-3827.45,191.63) -3827.45,208.07 ; -3607.18,257.48 cw(c-3607.18,273.92) -3618.81,262.3 ccw(c-3607.18,273.92) -3607.18,257.48 ; -3607.18,257.48 ccw(c-3607.18,241.04) -3618.81,252.66 cw(c-3607.18,241.04) -3607.18,257.48 ; -848.32,2962.01 cw(c-848.32,2978.45) -859.95,2966.82 ccw(c-848.32,2978.45) -848.32,2962.01 ; -848.32,2962.01 ccw(c-848.32,2945.56) -859.95,2957.19 cw(c-848.32,2945.56) -848.32,2962.01 ; -848.32,3013.19 cw(c-848.32,3029.63) -859.95,3018.01 ccw(c-848.32,3029.63) -848.32,3013.19 ; -848.32,3013.19 ccw(c-848.32,2996.75) -859.95,3008.37 cw(c-848.32,2996.75) -848.32,3013.19 ; -776.88,2936.42 cw(c-776.88,2919.97) -765.25,2931.6 ccw(c-776.88,2919.97) -776.88,2936.42 ; -776.88,2936.42 ccw(c-776.88,2952.86) -765.25,2941.23 cw(c-776.88,2952.86) -776.88,2936.42 ; -776.88,2987.6 cw(c-776.88,2971.16) -765.25,2982.78 ccw(c-776.88,2971.16) -776.88,2987.6 ; -776.88,2987.6 ccw(c-776.88,3004.04) -765.25,2992.41 cw(c-776.88,3004.04) -776.88,2987.6 ; -689.07,3069.69 cw(c-689.07,3086.13) -700.7,3074.5 ccw(c-689.07,3086.13) -689.07,3069.69 ; -689.07,3069.69 ccw(c-689.07,3053.24) -700.7,3064.87 cw(c-689.07,3053.24) -689.07,3069.69 ; -603.25,2987.6 cw(c-603.25,2971.16) -591.63,2982.78 ccw(c-603.25,2971.16) -603.25,2987.6 ; -603.25,2987.6 ccw(c-603.25,3004.04) -591.63,2992.41 cw(c-603.25,3004.04) -603.25,2987.6 ; 787.2,5201.42 cw(c798.83,5213.05) 782.39,5213.05 ccw(c798.83,5213.05) 787.2,5201.42 ; 787.2,5201.42 ccw(c775.58,5189.79) 775.58,5206.24 cw(c775.58,5189.79) 787.2,5201.42 ; -4835.83,2578.64 ccw(c-4809.94,2578.64) -4827.79,2559.89 cw(c-4809.94,2578.64) -4835.83,2578.64
  Top Layer w19.68: J5A.14@-4590.14,359.3 -4547.03,359.3 Cage2.43@-4507.46,398.87 -4507.46,437.78 ; J5A.17@-4590.14,453.79 -4523.47,453.79 -4507.46,437.78 ; J5A.20@-4590.14,548.28 -4547.03,548.28 Cage2.42@-4507.46,587.84 ; J5B.14@-4590.14,920.32 -4547.03,920.32 Cage2.40@-4507.46,959.89 -4507.46,1003.13 ; J5B.17@-4590.14,1014.81 -4519.14,1014.81 -4507.46,1003.13 ; J5B.20@-4590.14,1109.3 -4547.03,1109.3 Cage2.39@-4507.46,1148.87 ; J5C.14@-4590.14,1481.35 -4547.03,1481.35 Cage2.34@-4507.46,1520.91 -4507.46,1560.22 ; J5C.17@-4590.14,1575.84 -4523.08,1575.84 -4507.46,1560.22 ; J5C.20@-4590.14,1670.32 -4547.03,1670.32 Cage2.33@-4507.46,1709.89 ; J5D.14@-4590.14,2042.37 -4547.03,2042.37 Cage2.29@-4507.46,2081.94 -4507.46,2121.64 ; J5D.17@-4590.14,2136.86 -4522.69,2136.86 -4507.46,2121.64 ; J5D.20@-4590.14,2231.35 -4547.03,2231.35 Cage2.28@-4507.46,2270.91 ; J5E.14@-4589.58,3366.39 -4546.47,3366.39 Cage1.43@-4506.91,3405.96 -4506.91,3447.46 -4520.33,3460.88 J5E.17@-4589.58,3460.88 ; J5E.20@-4589.58,3555.37 -4546.47,3555.37 Cage1.42@-4506.91,3594.94 ; J5F.14@-4589.58,3927.42 -4546.47,3927.42 Cage1.40@-4506.91,3966.98 -4506.91,4007.69 ; J5F.17@-4589.58,4021.91 -4521.12,4021.91 -4506.91,4007.69 ; J5F.20@-4589.58,4116.39 -4546.47,4116.39 Cage1.39@-4506.91,4155.96 ; J5G.14@-4589.58,4488.44 -4546.47,4488.44 Cage1.34@-4506.91,4528.01 -4506.91,4567.93 ; J5G.17@-4589.58,4582.93 -4521.91,4582.93 -4506.91,4567.93 ; J5G.20@-4589.58,4677.42 -4546.47,4677.42 Cage1.33@-4506.91,4716.99 ; J5H.14@-4589.58,5049.47 -4546.47,5049.47 Cage1.29@-4506.91,5089.03 -4506.91,5132.5 ; J5H.17@-4589.58,5143.95 -4518.36,5143.95 -4506.91,5132.5 ; J5H.20@-4589.58,5238.44 -4546.47,5238.44 Cage1.28@-4506.91,5278.01 ; J5A.14@-4560.61,359.3 ccw(c-4560.61,392.09) -4537.43,368.9 ; J5A.20@-4560.61,548.28 ccw(c-4560.61,581.07) -4537.43,557.88 ; J5B.14@-4560.61,920.32 ccw(c-4560.61,953.11) -4537.43,929.93 ; J5B.20@-4560.61,1109.3 ccw(c-4560.61,1142.09) -4537.43,1118.9 ; J5C.14@-4560.61,1481.35 ccw(c-4560.61,1514.14) -4537.43,1490.95 ; J5C.20@-4560.61,1670.32 ccw(c-4560.61,1703.11) -4537.43,1679.93 ; J5D.14@-4560.61,2042.37 ccw(c-4560.61,2075.16) -4537.43,2051.98 ; J5D.20@-4560.61,2231.35 ccw(c-4560.61,2264.14) -4537.43,2240.95 ; J5E.14@-4560.05,3366.39 ccw(c-4560.05,3399.19) -4536.87,3376 ; J5E.20@-4560.05,3555.37 ccw(c-4560.05,3588.16) -4536.87,3564.97 ; J5F.14@-4560.05,3927.42 ccw(c-4560.05,3960.21) -4536.87,3937.02 ; J5F.20@-4560.05,4116.39 ccw(c-4560.05,4149.19) -4536.87,4126 ; J5G.14@-4560.05,4488.44 ccw(c-4560.05,4521.23) -4536.87,4498.05 ; J5G.20@-4560.05,4677.42 ccw(c-4560.05,4710.21) -4536.87,4687.02 ; J5H.14@-4560.05,5049.47 ccw(c-4560.05,5082.26) -4536.87,5059.07 ; J5H.20@-4560.05,5238.44 ccw(c-4560.05,5271.23) -4536.87,5248.05 ; Cage2.43@-4530.1,398.87 cw(c-4584.75,398.87) -4546.11,360.22 cw(c-4507.46,321.58) Cage2.43@-4507.46,376.23 ; Cage2.42@-4530.1,587.84 cw(c-4584.75,587.84) -4546.11,549.2 cw(c-4507.46,510.55) Cage2.42@-4507.46,565.2 ; Cage2.40@-4530.1,959.89 cw(c-4584.75,959.89) -4546.11,921.24 cw(c-4507.46,882.6) Cage2.40@-4507.46,937.25 ; Cage2.39@-4530.1,1148.87 cw(c-4584.75,1148.87) -4546.11,1110.22 cw(c-4507.46,1071.58) Cage2.39@-4507.46,1126.23 ; Cage2.34@-4530.1,1520.91 cw(c-4584.75,1520.91) -4546.11,1482.27 cw(c-4507.46,1443.62) Cage2.34@-4507.46,1498.28 ; Cage2.33@-4530.1,1709.89 cw(c-4584.75,1709.89) -4546.11,1671.25 cw(c-4507.46,1632.6) Cage2.33@-4507.46,1687.25 ; Cage2.29@-4530.1,2081.94 cw(c-4584.75,2081.94) -4546.11,2043.29 cw(c-4507.46,2004.65) Cage2.29@-4507.46,2059.3 ; Cage2.28@-4530.1,2270.91 cw(c-4584.75,2270.91) -4546.11,2232.27 cw(c-4507.46,2193.62) Cage2.28@-4507.46,2248.28 ; Cage1.43@-4529.54,3405.96 cw(c-4584.2,3405.96) -4545.55,3367.32 cw(c-4506.91,3328.67) Cage1.43@-4506.91,3383.32 ; Cage1.42@-4529.54,3594.94 cw(c-4584.2,3594.94) -4545.55,3556.29 cw(c-4506.91,3517.65) Cage1.42@-4506.91,3572.3 ; Cage1.40@-4529.54,3966.98 cw(c-4584.2,3966.98) -4545.55,3928.34 cw(c-4506.91,3889.69) Cage1.40@-4506.91,3944.35 ; Cage1.39@-4529.54,4155.96 cw(c-4584.2,4155.96) -4545.55,4117.32 cw(c-4506.91,4078.67) Cage1.39@-4506.91,4133.32 ; Cage1.34@-4529.54,4528.01 cw(c-4584.2,4528.01) -4545.55,4489.36 cw(c-4506.91,4450.72) Cage1.34@-4506.91,4505.37 ; Cage1.33@-4529.54,4716.99 cw(c-4584.2,4716.99) -4545.55,4678.34 cw(c-4506.91,4639.69) Cage1.33@-4506.91,4694.35 ; Cage1.29@-4529.54,5089.03 cw(c-4584.2,5089.03) -4545.55,5050.39 cw(c-4506.91,5011.74) Cage1.29@-4506.91,5066.39 ; Cage1.28@-4529.54,5278.01 cw(c-4584.2,5278.01) -4545.55,5239.36 cw(c-4506.91,5200.72) Cage1.28@-4506.91,5255.37 ; Cage2.40@-4520.36,978.49 ccw(c-4537.45,1003.13) -4507.46,1003.13 ; Cage1.29@-4519.88,5107.58 ccw(c-4537.31,5132.49) -4506.91,5132.49 ; Cage1.43@-4519.16,3425 ccw(c-4533.61,3447.45) -4506.91,3447.45 ccw(c-4480.2,3447.45) Cage1.43@-4494.65,3425 ; Cage2.29@-4518.99,2101.42 ccw(c-4530.95,2121.64) -4507.46,2121.64 ; Cage1.40@-4518.85,3986.22 ccw(c-4532.18,4007.69) -4506.91,4007.69 ; Cage2.34@-4518.82,1540.49 ccw(c-4530.27,1560.22) -4507.46,1560.22 ; Cage2.43@-4518.65,418.55 ccw(c-4529.59,437.78) -4507.46,437.78 ; Cage1.34@-4518.53,4547.44 ccw(c-4530.78,4567.93) -4506.91,4567.93 ; Cage2.43@-4496.28,418.55 cw(c-4485.34,437.78) -4507.46,437.78 ; Cage2.34@-4496.1,1540.49 cw(c-4484.66,1560.22) -4507.46,1560.22 ; Cage2.29@-4495.94,2101.42 cw(c-4483.97,2121.64) -4507.46,2121.64 ; Cage1.34@-4495.28,4547.44 cw(c-4483.03,4567.93) -4506.91,4567.93 ; Cage1.40@-4494.96,3986.22 cw(c-4481.63,4007.69) -4506.91,4007.69 ; Cage2.40@-4494.57,978.49 cw(c-4477.48,1003.13) -4507.46,1003.13 ; Cage1.29@-4493.93,5107.58 cw(c-4476.5,5132.49) -4506.91,5132.49 ; C24.1@-4304.33,2662.6 v2(-4261.02,2662.6) ; C390.1@-4304.33,2861.42 v2(-4261.02,2861.42) ; C24.1@-4296.67,2654.94 cw(c-4278.19,2636.46) -4278.19,2662.6 cw(c-4278.19,2688.74) C24.1@-4296.67,2670.25 ; C390.1@-4296.67,2853.76 cw(c-4278.19,2835.28) -4278.19,2861.42 cw(c-4278.19,2887.56) C390.1@-4296.67,2869.07